# Altium PCB DIOT_PSU_doutherBoard.PcbDoc (part 2 of 2)
Units mm, origin at the board's own origin, x right, y up, seen from the top; angles counter-clockwise.
Board outline 217.37 x 100 mm, 4 copper layers (Top Layer, L2, L3, Bottom Layer), stack 1.57 mm thick; 139 components, 100 nets, 450 pads, 32 vias.
Unrouted connection lines stored in the file: 208.
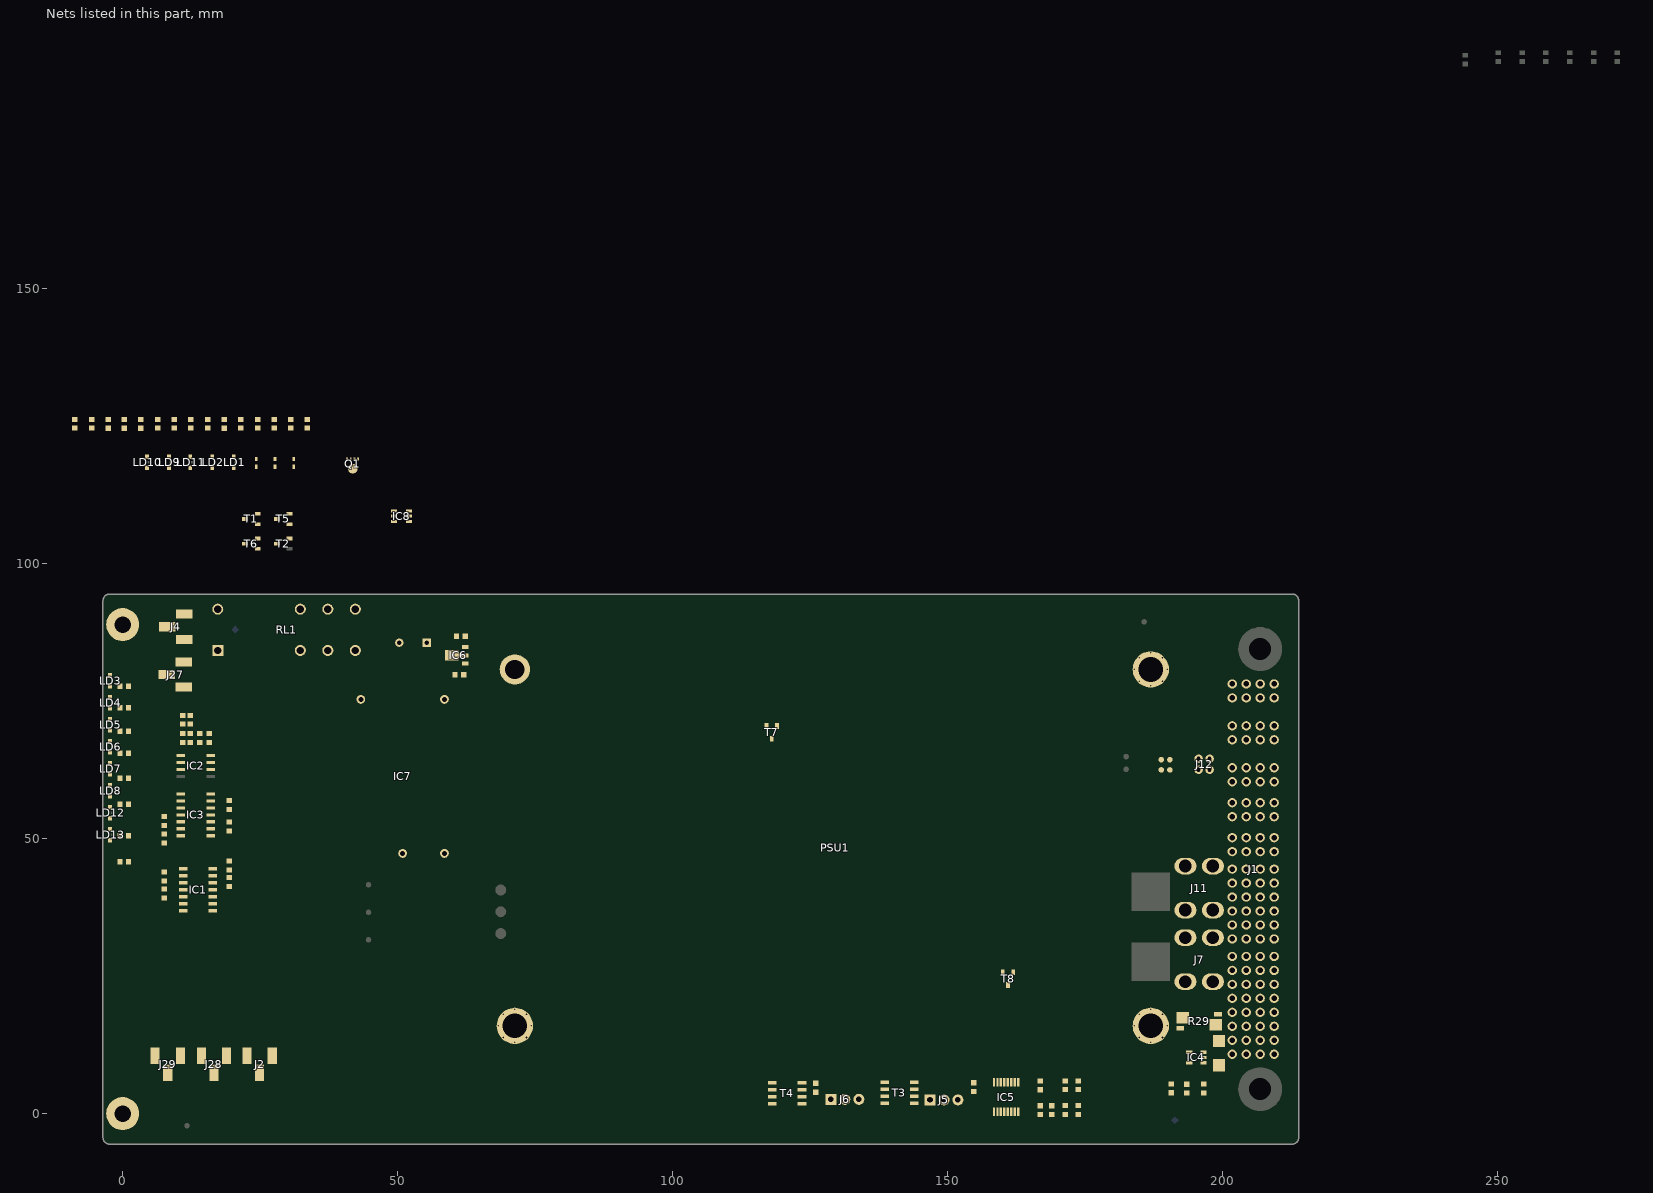
[diagram p4: the nets of this part, all layers, seen from the top]

## Part data
C1 C2 C3 C4 C6 C14: library part CC0603_100NF_50V_10%_X5R, "Non-polarised capacitor", Case=0603, Manufacturer=GENERIC, Manufacturer1 ComponentHeight=0.9mm, Manufacturer1 Example=TDK, Manufacturer1 Part Number=C1608X5R1H104K080, Tolerance=±10%, Voltage=50V, Author="CERN DEM MR", Component Type=Standard, CreateDate=08.01.2016, HelpURL=\\cern.ch\dfs\Applications\Altium\Datasheets\CC0603_X5R_TDK_C.pdf, LatestRevisionDate=08.01.2016, Manufacturer Part Number=CC0603_100NF_50V_10%_X5R, Mounted=Yes, Part Description="SMD Multilayer Chip Ceramic Capacitor", Part Number=CC0603_100NF_50V_10%_X5R, Pin Count=2, Sense=No, SMD=Yes, Socket=No, Status=None, TC=X5R
C5: library part CC0603_10NF_50V_10%_X7R, "Non-polarised capacitor", Case=0603, Manufacturer=GENERIC, Manufacturer1 ComponentHeight=0.87mm, Manufacturer1 Example=PHYCOMP, Manufacturer1 Part Number=223858615636, Tolerance=±10%, Voltage=50V, Author="CERN DEM JLC", Component Type=Standard, CreateDate=03.12.2007, HelpURL=\\cern.ch\dfs\Applications\Altium\Datasheets\CC0603_X7R_PHYCOMP.pdf, LatestRevisionDate=03.12.2007, Manufacturer Part Number=CC0603_10NF_50V_10%_X7R, Mounted=Yes, Part Description="SMD Multilayer Chip Ceramic Capacitor", Part Number=CC0603_10NF_50V_10%_X7R, Pin Count=2, Sense=No, SMD=Yes, Socket=No, Status=Preferred, TC=X7R
C7 C8 C11 C13: library part CC0603_1UF_16V_10%_X7R, "Non-polarised capacitor", Case=0603, Manufacturer=GENERIC, Manufacturer1 ComponentHeight=0.9mm, Manufacturer1 Example="YAGEO PHYCOMP", Manufacturer1 Part Number=223878615663, Tolerance=±10%, Voltage=16V, Author="CERN DEM JLC", Component Type=Standard, CreateDate=03.12.2007, HelpURL=\\cern.ch\dfs\Applications\Altium\Datasheets\CC0603_X7R_PHYCOMP.pdf, LatestRevisionDate=17.04.2015, Manufacturer Part Number=CC0603_1UF_16V_10%_X7R, Mounted=Yes, Part Description="SMD Multilayer Chip Ceramic Capacitor", Part Number=CC0603_1UF_16V_10%_X7R, Pin Count=2, Sense=No, SMD=Yes, Socket=No, Status=None, TC=X7R
C9 C10: library part CC0603_1NF_50V_10%_X7R, "Non-polarised capacitor", Case=0603, Manufacturer=GENERIC, Manufacturer1 ComponentHeight=0.87mm, Manufacturer1 Example=PHYCOMP, Manufacturer1 Part Number=223858615623, Tolerance=±10%, Voltage=50V, Author="CERN DEM JLC", Component Type=Standard, CreateDate=03.12.2007, HelpURL=\\cern.ch\dfs\Applications\Altium\Datasheets\CC0603_X7R_PHYCOMP.pdf, LatestRevisionDate=03.12.2007, Manufacturer Part Number=CC0603_1NF_50V_10%_X7R, Mounted=Yes, Part Description="SMD Multilayer Chip Ceramic Capacitor", Part Number=CC0603_1NF_50V_10%_X7R, Pin Count=2, Sense=No, SMD=Yes, Socket=No, Status=Preferred, TC=X7R
C12: library part CAER_150UF_16V_20%_SANYO_16SEQP150M, "Polarised capacitor", Case="LS5 D10 x H8", Manufacturer="SANYO OS-CON", Manufacturer Part Number=16SEQP150M, Tolerance=±20%, Voltage=16V, Author="CERN DEM JLC", Component Type=Standard, ComponentHeight=8mm, CreateDate=07.03.2011, HelpURL=\\cern.ch\dfs\Applications\Altium\Datasheets\CAER_SANYO_SEQP.pdf, LatestRevisionDate=07.03.2011, Mounted=Yes, Part Description="Aluminium Solid Capacitor with Conductive Polymer (SEQP Series)", Part Number=CAER_150UF_16V_20%_SANYO_16SEQP150M, Pin Count=2, Sense=No, SMD=No, Socket=No, Status="Not Recommended"
D1 D2 D3: "ESD protection diode", Case=SOD523, Manufacturer="NXP SEMICONDUCTORS", Power=330W, Voltage=3V3, Author="CERN DEM JLC", Bonding=No, Component Type=Standard, ComponentHeight=0.65mm, CreateDate=29.11.2012, Device=PESD3V3S1UB, HelpURL=\\cern.ch\dfs\Applications\Altium\Datasheets\PESD3V3S1UB.pdf, LatestRevisionDate=29.11.2012, Manufacturer Part Number=PESD3V3S1UB, Mounted=Yes, PackageDescription="Ultra Small Outline Diode Flat Lead (SOD-523), Body; 1.2mm L X 0.8mm W X 0.65mm H, IPC Medium Density", Part Description="ESD protection diode (23kV)", Part Number=PESD3V3S1UB, Pin Count=2, PressFit=No, Sense=No, SMD=Yes, Socket=No
D4: "Transient Voltage Suppressor Diode (Uni-Directional)", Case=SMB, Manufacturer=LITTELFUSE, Power=600W, Voltage=15V, Author="CERN DEM JLC", Bonding=No, Component Type=Standard, ComponentHeight=2.61mm, CreateDate=12.07.2017, Device=P6SMB15A, HelpURL=\\cern.ch\dfs\Applications\Altium\Datasheets\P6SMB15A.pdf, LatestRevisionDate=12.07.2017, Manufacturer Part Number=P6SMB15A, Mounted=Yes, PackageDescription="DO-214-AA/SMB Diode, Molded Body; 5.40mm L X 3.62mm W X 2.61mm H, IPC Medium Density", Part Description="Uni-directional Transient Voltage Suppressor (TVS) Diode", Part Number=P6SMB15A, Pin Count=2, PressFit=No, Sense=No, SMD=Yes, Socket=No
FTG1 FTG3: library part FIDUCIAL_TARGET_C100-200, "Fiducial Target", Author="CERN DEM JLC", Component Type="Standard (No BOM)", ComponentHeight=0mm, CreateDate=09.02.2010, Family=Fiducial, HelpURL=Undefined, LatestRevisionDate=04.04.2012, Mounted=No, PackageDescription="Round Fiducial Target, Top Layer, 1.0mm, Top Solder 2.0mm, Keepout =2.0mm", Part Description="Round Fiducial Target, Top Layer, 1.0mm, Top Solder 2.0mm, Keepout =2.0mm", Part Number=FIDUCIAL_TARGET_C100-200, Pin Count=1, Sense=No, SMD=Yes, Socket=No, Status=None
FTG2 FTG4: library part FIDUCIAL_TARGET_S100-200, "Fiducial Target", Author="CERN DEM JLC", Component Type="Standard (No BOM)", ComponentHeight=0mm, CreateDate=09.02.2010, Family=Fiducial, HelpURL=Undefined, LatestRevisionDate=04.04.2012, Mounted=No, PackageDescription="Square Fiducial Target, Top Layer, 1.0mm, Top Solder 2.0mm, Keepout =2.0mm", Part Description="Square Fiducial Target, Top Layer, 1.0mm, Top Solder 2.0mm, Keepout =2.0mm", Part Number=FIDUCIAL_TARGET_S100-200, Pin Count=1, Sense=No, SMD=Yes, Socket=No, Status=None
IC1 IC3: "Quad Operational Amplifier", Case=SOIC14, Manufacturer="TEXAS INSTRUMENTS", Author="CERN DEM JLC", Bonding=No, Component Type=Standard, ComponentHeight=1.75mm, CreateDate=09.03.2011, Device=LM339AD, HelpURL=\\cern.ch\dfs\Applications\Altium\Datasheets\LM339AD.pdf, LatestRevisionDate=09.03.2011, Manufacturer Part Number=LM339AD, Mounted=Yes, PackageDescription="SOIC 14, Pitch 1.27mm - Body 4x8.75mm, IPC Medium Density", Part Description="Quad Differential Comparator", Part Number=LM339AD, Pin Count=14, PressFit=No, Sense=No, SMD=Yes, Socket=No
IC2: "Precision Programmable Reference", Case=SOIC8, Manufacturer="TEXAS INSTRUMENTS", Author="CERN DEM JLC", Bonding=No, Component Type=Standard, ComponentHeight=1.75mm, CreateDate=18.01.2011, Device=TL431CD, HelpURL=\\cern.ch\dfs\Applications\Altium\Datasheets\TL431CD.pdf, LatestRevisionDate=28.02.2011, Manufacturer Part Number=TL431CD, Mounted=Yes, PackageDescription="SOIC 8, Pitch 1.27mm, Body 4x5mm, IPC Medium Density", Part Description="Vref (2.5V) To 36V 2% Precision Programmable Reference", Part Number=TL431CD, Pin Count=8, PressFit=No, Sense=No, SMD=Yes, Socket=No
IC4: "Current Shunt Monitor -16V to +80V Common-Mode Range", Case=SOT23-5, Manufacturer="TEXAS INSTRUMENTS", Manufacturer Part Number=INA194AIDBV, Author="CERN DEM JLC", Bonding=No, Component Type=Standard, ComponentHeight=1.45mm, CreateDate=10.05.2010, Device=INA194AIDBVT, HelpURL=\\cern.ch\dfs\Applications\Altium\Datasheets\INA194AIDBVT.pdf, LatestRevisionDate=10.05.2010, Mounted=Yes, PackageDescription="SOT, 0.95mm Pitch; 5 Pin, 1.60mm W X 2.90mm L X 1.45mm H body, IPC Medium Density", Part Description="Current Shunt Monitor -16V to +80V Common-Mode Range", Part Number=INA194AIDBVT, Pin Count=5, PressFit=No, Sense=No, SMD=Yes, Socket=No
IC5: "2-Channel Temperature Monitor with Dual, Automatic, PWM Fan-Speed Controller", Case=SSOP16, Manufacturer=MAXIM, Manufacturer Part Number=MAX6639AEE, Author="CERN DEM JLC", Bonding=No, Component Type=Standard, ComponentHeight=1.75mm, CreateDate=15.08.2012, Device=MAX6639AEE+, HelpURL=\\cern.ch\dfs\Applications\Altium\Datasheets\MAX6639AEE+.pdf, LatestRevisionDate=04.04.2022, Mounted=Yes, PackageDescription="SOP, 0.635mm Pitch; 16 Pin, 3.9mm W X 4.895mm L X 1.75mm H body, IPC Medium Density", Part Description="2-Channel Temperature Monitor with Dual, Automatic, PWM Fan-Speed Controller", Part Number=MAX6639AEE+, Pin Count=16, PressFit=No, Sense=No, SMD=Yes, Socket=No
IC6: "3-Terminal Regulator 1=OUT 2=GND 3=IN", Case=SOT89, Manufacturer="ST MICROELECTRONICS", Author="CERN DEM JLC", Bonding=No, Component Type=Standard, ComponentHeight=1.6mm, CreateDate=12.05.2014, Device=L78L33ACUTR, HelpURL=\\cern.ch\dfs\Applications\Altium\Datasheets\L78L33ACUTR.pdf, LatestRevisionDate=12.05.2014, Manufacturer Part Number=L78L33ACUTR, Mounted=Yes, PackageDescription="SOT89-3, 3-Leads, Body 2.44x4.5mm", Part Description="33V 100mA Positive Voltage Regulator", Part Number=L78L33ACUTR, Pin Count=4, PressFit=No, Sense=No, SMD=Yes, Socket=No
IC7: library part AC_DC_IRM-02-5, "Power Supply", Manufacturer="MEAN WELL", Author=GK, Bonding=No, Component Type=Standard, ComponentHeight=15mm, CreateDate=14.02.2018, Device=IRM-02-5, HelpURL=\\cern.ch\dfs\Applications\Altium\Datasheets\IRM-02-24.pdf, LatestRevisionDate=14.02.2018, Manufacturer Part Number=IRM-02-5, Mounted=Yes, PackageDescription="IRM-02 Series, Body 33.7x22.2mm, Power Supply", Part Description="85-305VAC to 5VDC (400mA) 2W Power Supply", Part Number=IRM-02-5, Pin Count=4, PressFit=No, Sense=No, SMD=No, Socket=No, Status=None
IC8: library part LTC4412HVIS6#PBF, "36V, Low Loss PowerPathTM Controller in ThinSOT", Case=SOT23-6, Manufacturer="LINEAR TECHNOLOGY", Author="CERN DEM JLC", Bonding=No, Component Type=Standard, ComponentHeight=1mm, CreateDate=22.03.2018, Device=LTC4412HVIS6, HelpURL=\\cern.ch\dfs\Applications\Altium\Datasheets\LTC4412HVIS6#PBF.pdf, LatestRevisionDate=02.02.2022, Manufacturer Part Number=LTC4412HVIS6, Mounted=Yes, PackageDescription="SOT, 0.95mm Pitch; 6 Pin, 1.625mm W X 2.90mm L X 1.00mm H body, IPC Medium Density", Part Description="36V, Low Loss PowerPath Controller in ThinSOT", Part Number=LTC4412HVIS6#PBF, Pin Count=6, PressFit=No, Sense=No, SMD=Yes, Socket=No
J1: library part AMPHENOL_51939-667, "Thru-Hole, Lead 3.43mm, PowerBlade Right Angled Power Connector 3ACP 2P 24S 4P Contacts", Manufacturer=AMPHENOL, Manufacturer Part Number=51939-667, Author="CERN DEM JLC", Component Type=Standard, ComponentHeight=12.57mm, CreateDate=05.03.2019, Family=PwrBlade, HelpURL=\\cern.ch\dfs\Applications\Altium\Datasheets\AMPHENOL_51939-667.pdf, LatestRevisionDate=05.03.2019, Mounted=Yes, Part Description="Right Angle PowerBlade Power Connector 3ACP + 2P + 24S + 4P Contacts", Part Number=AMPHENOL_51939-667, Pin Count=33, PressFit=No, Sense=No, SMD=No, Socket=No, Status=None
J2 J4 J27 J28 J29: library part KEYSTONE_4928, "0.240\" (6.10mm) Quick Connect Male Solder Connector Non-Insulated", Manufacturer=KEYSTONE, Author=LPA, Component Type=Standard, ComponentHeight=10.49mm, ComponentLink1Description=Datasheet, ComponentLink1URL=https://www.keyelco.com/product-pdf.cfm?p=14309, CreateDate=18.02.2025, HelpURL=https://www.keyelco.com/product-pdf.cfm?p=14309, LatestRevisionDate=18.02.2025, Manufacturer Part Number=4928, Mounted=Yes, Part Description="0.240\" (6.10mm) Quick Connect Male Solder Connector Non-Insulated", Part Number=4928, Pin Count=4, PressFit=No, Sense=No, SMD=No, Socket=No, Status=None
J3: "Power Entry Connector Receptacle, Male Blades - Module IEC 320-C14 Panel Mount, Flange", Manufacturer="Schaffner EMC Inc.", Author=LPA, ComponentHeight=35, ComponentLink1Description=Datasheet, ComponentLink1URL=https://www.digikey.pl/pl/products/detail/schaffner-emc-inc/FN281-6-06/1997105?srsltid=AfmBOopo_2hCIzMtiGmdja5qUgne8hiecT0bkO3ZLGT1zD_KD1Bja1J0, CreateDate=08.02.2025, HelpURL=https://www.schaffner.com/product/FN280/Schaffner_datasheet_FN280.pdf, LatestRevisionDate=08.02.2025, Manufacturer Part Number=FN281-6-06, Mounted=Yes, Part Description="Power Entry Connector Receptacle, Male Blades - Module IEC 320-C14 Panel Mount, Flange", Part Number=FN281-6-06, Pin Count=3, PressFit=No, Sense=No, SMD=No, Socket=No, Status=None
J5 J6: "Gniazdo; FAN; przewód-płytka; męskie; PIN:3; 2,54mm; THT; KK 254; proste", Manufacture=Molex, Value1=3, Assembly=THT, ComponentLink1Description=Datasheet, ComponentLink1URL=https://www.tme.eu/pl/Document/dac536c778e10636339fa400de171f1f/MX-22-23-2031.pdf, ComponentSymbol=MX-22-23-2031, ComponentType=Connector, DafaultFootprint="Molex 3-pin", Parameter1="No. of Position", Shop1=TME, Shop1ID=MX-22-23-2031
J7 J11: "4 Pin Screw Terminal, Power Tap M3 Through Hole", Manufacturer="Amphenol Anytek", Author=LPA, Component Type=Standard, ComponentHeight=12mm, CreateDate=09.02.2025, Family=LOP-400, HelpURL=https://www.anytek.com.cn/Upload/AMT43015DB-ed7a3ffa30954f7d99d4bb13dc927db5.pdf, LatestRevisionDate=09.02.2025, Manufacturer Part Number=AMT0430015DB0000G, Mounted=Yes, Part Description="4 Pin Screw Terminal, Power Tap M3 Through Hole", Part Number=AMT0430015DB0000G, Pin Count=4, PressFit=No, Sense=No, SMD=No, Socket=No, Status=None
J8: "3 Rectangular Connectors - Housings Receptacle Natural 0.156\" (3.96mm)", Manufacturer="JST Sales America Inc.", Author=LPA, Component Type=Standard, CreateDate=09.02.2025, Family=VH, HelpURL=https://www.jst-mfg.com/product/pdf/eng/eVH.pdf, LatestRevisionDate=09.02.2025, Manufacturer Part Number=VHR-3N, Mounted=Yes, Part Description="3 Rectangular Connectors - Housings Receptacle Natural 0.156\" (3.96mm)", Part Number=VHR-3N, Pin Count=1, PressFit=No, Sense=No, SMD=No, Socket=No, Status=None
J9 J10: "Socket Contact Tin 16-20 AWG Crimp", Manufacturer="JST Sales America Inc.", Author=LPA, Component Type="Socket Contact", ComponentHeight=N/A, CreateDate=09.02.2025, Family=vh, HelpURL=https://www.jst-mfg.com/product/pdf/eng/eVH.pdf, LatestRevisionDate=09.02.2025, Manufacturer Part Number=SVH-41T-P1.1, Mounted=Yes, Part Description="Socket Contact Tin 16-20 AWG Crimp", Part Number=SVH-41T-P1.1, Pin Count=1, PressFit=No, Sense=No, SMD=No, Socket=No, Status=None
J12: Manufacturer="Hirose Electric Co Ltd", Author=LPA, Component Type=Standard, ComponentHeight=6.6mm, CreateDate=09.02.2025, Family=DF11, HelpURL=https://www.hirose.com/de/product/document?clcode=&productname=&series=DF11&documenttype=Catalog&lang=en&documentid=en_DF11_CAT, LatestRevisionDate=09.02.2025, Manufacturer Part Number=DF11-4DP-2DSA(01), Mounted=Yes, Part Description="Connector Header Through Hole 4 position 0.079\" (2.00mm)", Part Number=DF11-4DP-2DSA(01), Pin Count=1, PressFit=No, Sense=No, SMD=No, Socket=No, Status=None
J13 J16: "4 Rectangular Connectors - Housings Receptacle Black 0.079\" (2.00mm)", Manufacturer="Hirose Electric Co Ltd", Author=LPA, Component Type=Standard, ComponentHeight=7.3mm, CreateDate=09.02.2025, Family=DF11, HelpURL=https://www.hirose.com/de/product/document?clcode=&productname=&series=DF11&documenttype=Catalog&lang=en&documentid=en_DF11_CAT, LatestRevisionDate=09.02.2025, Manufacturer Part Number=DF11-4DS-2C, Mounted=Yes, Part Description="4 Rectangular Connectors - Housings Receptacle Black 0.079\" (2.00mm)", Part Number=DF11-4DS-2C, Pin Count=1, PressFit=No, Sense=No, SMD=No, Socket=No, Status=None
J14 J15 J17 J18 J19 J20 J21 J22: "Socket Contact Tin 24-28 AWG Crimp", Manufacturer="Hirose Electric Co Ltd", Author=LPA, Component Type="Socket Contact", ComponentHeight=N/A, CreateDate=09.02.2025, Family=DF11, HelpURL=https://www.hirose.com/product/download/?distributor=digikey&type=specSheet&lang=en&num=DF11-2428SC, LatestRevisionDate=09.02.2025, Manufacturer Part Number=DF11-2428SC, Mounted=Yes, Part Description="Socket Contact Tin 24-28 AWG Crimp", Part Number=DF11-2428SC, Pin Count=1, PressFit=No, Sense=No, SMD=No, Socket=No, Status=None
J23 J24 J25 J26: "Round Standoff Threaded M3 Steel 0.039\" (1.00mm)", Manufacturer="Würth Elektronik", Author=LPA, Component Type=Standard, ComponentHeight=6.6mm, CreateDate=09.02.2025, Family=WA-SMSR, HelpURL=https://www.we-online.com/en/components/products/SMSR_SMD_STEEL_SPACER_M3_THREAD_INTERNAL#9775066360R, LatestRevisionDate=09.02.2025, Manufacturer Part Number=9775066360R, Mounted=Yes, Part Description="Round Standoff Threaded M3 Steel 0.039\" (1.00mm)", Part Number=9775066360R, Pin Count=1, PressFit=No, Sense=No, SMD=No, Socket=No, Status=None
LD1 LD2 LD3 LD4 LD5 LD6 LD7 LD8 LD9 LD10 LD11 LD12 LD13: library part LED_AVAGO_HSME-C120, "LED Green 1C 2A", Manufacturer="AVAGO TECHNOLOGIES", Manufacturer Part Number=HSME-C120, Author="CERN DEM JMW", Bonding=No, Color=Green, Component Type=Standard, ComponentHeight=0.7mm, ComponentLink1Description="Design Guide", ComponentLink1URL=\\cern.ch\dfs\Applications\Altium\Datasheets\LED_AVAGO_HSME-C110_DESIGN-GUIDE.pdf, CreateDate=22.07.2009, HelpURL=\\cern.ch\dfs\Applications\Altium\Datasheets\LED_AVAGO_HSME-C120.pdf, LatestRevisionDate=20.06.2012, Mounted=Yes, PackageDescription="Green Chip LED, 2-Leads, Body 1.7x1.1mm, Side Emitting Package", Part Description="High Performance Right Angle Chip Green LED", Part Number=LED_AVAGO_HSME-C120, Pin Count=2, PressFit=No, Sense=No, SMD=Yes, Socket=No
M1 M2: library part PLATED_HOLE3.0_PAD6.0, "Single Terminal Socket", Author="CERN DEM JLC", Component Type="Standard (No BOM)", ComponentHeight=0mm, CreateDate=26.05.2008, Family="Plated Hole", HelpURL=Undefined, LatestRevisionDate=26.05.2008, Mounted=No, PackageDescription="Plated Through Hole: Hole Dia.=3.0mm Pad Dia.=6.0mm", Part Description="Plated Through Hole: Hole Dia.=3.0mm Pad Dia.=6.0mm", Part Number=PLATED_HOLE3.0_PAD6.0, Pin Count=1, Sense=No, SMD=No, Socket=No, Status=None
NUT1 NUT2: library part BOSSARD_BN628-1241443_v, "Nut", Manufacturer=BOSSARD, Manufacturer Part Number="BN628 Art.1241443", Author="CERN DEM JMW", Component Type=Mechanical, ComponentHeight=2.4mm, CreateDate=04.12.2015, HelpURL=\\cern.ch\dfs\Applications\Altium\Datasheets\BOSSARD_BN628-1241443.pdf, LatestRevisionDate=04.12.2015, Mounted=Yes, PackageDescription="M3 Hexagon Nut ~0,8d, ISO 4032, DIN 934, Stainless Steel A2", Part Description="M3 Hexagon Nut ~0,8d, ISO 4032, DIN 934, Stainless Steel A2", Part Number=BOSSARD_BN628-1241443_v, Pin Count=0, PressFit=No, Sense=No, SMD=No, Socket=No, Status=None
P1 P2 P3 P4 P5 P6 P7: "0.250\" (6.35mm) Quick Connect Female 14-16 AWG Crimp Connector Fully Insulated Heat Shrink", Manufacturer=Molex, Author=LPA, Component Type="Socket Contact", ComponentHeight=N/A, ComponentLink1Description=Datasheet, ComponentLink1URL=https://www.molex.com/en-us/products/part-detail/191640050?display=pdf, CreateDate=18.02.2025, Family=Perma-Seal, HelpURL=https://www.molex.com/en-us/products/part-detail/191640050?display=pdf, LatestRevisionDate=18.02.2025, Manufacturer Part Number=0191640050, Mounted=Yes, Part Description="0.250\" (6.35mm) Quick Connect Female 14-16 AWG Crimp Connector Fully Insulated Heat Shrink", Part Number=0191640050, Pin Count=1, PressFit=No, Sense=No, SMD=No, Socket=No, Status=None
PSU1: library part LOP-400-12, "AC-DC low profile open frame power supply; 150% peak for 3s; 250W convection and 400W fan cooling; input 80~264Vac; output 12Vdc; wide operating temperature range -40°~+80°C; aux 12V/0.5A for external fan; industrial EN/UL62368-1, household EN/UL60335-1 and medical EN/UL60601-1 multi-field certification; suitable for class I and class II applications", Manufacturer=MEANWELL, Author=LPA, Component Type=Standard, ComponentHeight=27.5±1mm, CreateDate=08.02.2025, Family=LOP-400, HelpURL=https://www.meanwell.com/webapp/product/search.aspx?prod=LOP-400, LatestRevisionDate=08.02.2025, Manufacturer Part Number=LOP-400-12, Mounted=Yes, Part Description="Right Angle PowerBlade Power Connector 3ACP + 2P + 24S + 4P Contacts", Part Number=LOP-400-12, Pin Count=11, PressFit=No, Sense=No, SMD=No, Socket=No, Status=None
Q1: library part CMP-83955-000002-1, "MOSFET P-CH 30V 3X3 DFN", Continuous Drain Current=-24A, Drain To Source Breakdown Voltage=-30V, Drain To Source Resistance=9.2mΩ, Gate To Source Voltage=25V, Input Capacitace At Vds="1995pF @ -15V", Manufacturer="Alpha & Omega Semiconductor", Max Forward Diode Voltage=-1V, Max Junction Temp=+150°C, Package=DFN3x3A_8L_EP1_P, Power Dissipation=5W, Pulse Drain Current=-82A, Temperature="-55°C to +150°C", Temperature Range Low=-55°C, Typ Forward Diode Voltage=-0.7V, Automotive=No, Category=Trans, ComponentLink2Description=Datasheet, ComponentLink2URL=http://www.aosmd.com/res/data_sheets/AONR21307.pdf, Depletion Mode=False, Device Class L1="Discrete Semiconductors", Device Class L2=Transistors, Device Class L3=MOSFETs, Digikey Description="MOSFET P-CH 30V 3X3 DFN", Drain To Source Voltage=-30V, Footprint Url=http://www.aosmd.com/res/packaging_information/DFN3x3A_8L_EP1_P.pdf, Gate Charge At Vgs="35nC @ -10V", Height=0.9mm, Lead Free=Yes, Manufacturer Part Number=AONR21307, Number Of Channels=1, Number Of P Channels=1, Octopart=https://octopart.com/aonr21307-alpha+%26+omega+semiconductor-96014004, Reverse Recovery Charge=20nC, Reverse Recovery Time=13.3ns, RoHS=TRUE, Rthja Max=45°C/W, Standoff Height=0mm, Temperature Range High=+150°C, Threshold Vgs Max=-2.3V, Threshold Vgs Min=-1.3V, Turn Off Delay Time=43.5ns, Turn On Delay Time=11ns
R1 R2: library part R0603_0R_JUMPER, "Resistor", Case=0603, Manufacturer=GENERIC, Manufacturer1 ComponentHeight=0.55mm, Manufacturer1 Example="NIC COMPONENT", Manufacturer1 Part Number=NRC06Z0, Author="CERN DEM JLC", Component Type=Standard, CreateDate=03.12.2007, HelpURL=\\cern.ch\dfs\Applications\Altium\Datasheets\R0603_NIC_NRC.pdf, LatestRevisionDate=13.03.2008, Manufacturer Part Number=R0603_0R_JUMPER, Mounted=Yes, Part Description="1A (0.05R Max DC Resistance) Zero Ohm Jumper", Part Number=R0603_0R_JUMPER, Pin Count=2, PressFit=No, Sense=No, SMD=Yes, Socket=No, Status=Preferred
R3 R6 R7 R8 R9 R15 R17 R19 R21 R23 R25 R27 R35 R36 R38: library part R0603_1K_1%_0.1W_100PPM, "Resistor - 1%", Case=0603, Manufacturer=GENERIC, Manufacturer1 ComponentHeight=0.55mm, Manufacturer1 Example="NIC COMPONENT", Manufacturer1 Part Number=NRC06F1001TRF, Power=0.1W, Tolerance=±1%, Author="CERN DEM JLC", Component Type=Standard, CreateDate=03.12.2007, HelpURL=\\cern.ch\dfs\Applications\Altium\Datasheets\R0603_NIC_NRC.pdf, LatestRevisionDate=13.03.2008, Manufacturer Part Number=R0603_1K_1%_0.1W_100PPM, Mounted=Yes, Part Description="General Purpose Thick Film Chip Resistor", Part Number=R0603_1K_1%_0.1W_100PPM, Pin Count=2, PressFit=No, Sense=No, SMD=Yes, Socket=No, Status=Preferred, TC=±100ppm/°C
R4 R5 R10 R11 R12 R13 R14 R16 R18 R20 R22 R24 R26 R28 R30 R31 R32 R33 R34 R37 R39: library part R0603_10K_1%_0.1W_100PPM, "Resistor - 1%", Case=0603, Manufacturer=GENERIC, Manufacturer1 ComponentHeight=0.55mm, Manufacturer1 Example="NIC COMPONENT", Manufacturer1 Part Number=NRC06F1002TRF, Power=0.1W, Tolerance=±1%, Author="CERN DEM JLC", Component Type=Standard, CreateDate=03.12.2007, HelpURL=\\cern.ch\dfs\Applications\Altium\Datasheets\R0603_NIC_NRC.pdf, LatestRevisionDate=13.03.2008, Manufacturer Part Number=R0603_10K_1%_0.1W_100PPM, Mounted=Yes, Part Description="General Purpose Thick Film Chip Resistor", Part Number=R0603_10K_1%_0.1W_100PPM, Pin Count=2, PressFit=No, Sense=No, SMD=Yes, Socket=No, Status=Preferred, TC=±100ppm/°C
R29: library part R2512_0R002_1%_1W_35PPM_VISHAY_WSK, "Power and Current Sensing Resistor", Case=2512, Manufacturer="VISHAY DALE", Manufacturer Part Number=WSK25122L000FEA, Power=1W, Tolerance=±1%, Author="CERN DEM MR", Component Type=Standard, ComponentHeight=0.89mm, CreateDate=08.11.2016, HelpURL=\\cern.ch\dfs\Applications\Altium\Datasheets\R2512_VISHAY_WSK.pdf, LatestRevisionDate=19.02.2018, Mounted=Yes, Part Description="Power Metal Strip® Resistor, Low Value", Part Number=R2512_0R002_1%_1W_35PPM_VISHAY_WSK, Pin Count=4, PressFit=No, Sense=No, SMD=Yes, Socket=No, Status=None, TC=±35ppm/°C
RL1: library part REL_OMRON_G2RL-24-DC5, "DPDT Power Relay, G2RL Series", Manufacturer="OMRON ELECTRONIC", Manufacturer Part Number=G2RL-24-DC5, Author="CERN DEM BC", Component Type=Standard, ComponentHeight=15.7mm, CreateDate=11.09.2023, HelpURL=\\cern.ch\dfs\Applications\Altium\Datasheets\REL_OMRON_G2RL-24.pdf, LatestRevisionDate=11.09.2023, Mounted=Yes, PackageDescription="8 Leads, Row Spacing 7.5mm; Body 29mm x 12.7mm, OMRON_G2RL Series", Part Description="8A@250VAC, DPDT Power Relay, G2RL Series", Part Number=REL_OMRON_G2RL-24-DC5, Pin Count=8, PressFit=No, Sense=No, Sense Comment="Sensitive=No (Component Sealed)", SMD=No, Socket=No, Status=None
SCREW1 SCREW2: library part BOSSARD_BN5687-3061608_v, "Screw", Manufacturer=BOSSARD, Manufacturer Part Number="BN5687 Art.3061608", Author="CERN DEM JLC", Component Type=Mechanical, ComponentHeight=12.4mm, CreateDate=22.08.2013, HelpURL=\\cern.ch\dfs\Applications\Altium\Datasheets\BOSSARD_BN5687-3061608.pdf, LatestRevisionDate=22.08.2013, Mounted=Yes, PackageDescription="M3 L=10mm Hexalobular Socket Pan Head Screw, Fully Threaded - Stainless Steel A2", Part Description="M3 L=10mm Hexalobular Socket Pan Head Screw, Fully Threaded, Stainless Steel A2", Part Number=BOSSARD_BN5687-3061608_v, Pin Count=0, PressFit=No, Sense=No, SMD=No, Socket=No, Status=None
ST1: library part SCHROFF_PANEL_3U_8HP_CPCIS_PSU, "Schroff 8HP 4U EUROCARD Panel with ejector", Manufacturer=Schroff, Manufacturer Part Number=20848589, Manufacturer Part Number 2=20848589
T1 T2: "N-CHANNEL MOSFET WITH DIODE", Case=SOT23-3, Manufacturer="ON SEMICONDUCTOR", Manufacturer Part Number=BSS138L, Author="CERN DEM JLC", Bonding=No, Component Type=Standard, ComponentHeight=1.11mm, CreateDate=23.03.2009, Device=BSS138LT1G, HelpURL=\\cern.ch\dfs\Applications\Altium\Datasheets\BSS138LT1G.pdf, LatestRevisionDate=25.05.2022, Mounted=Yes, PackageDescription="SOT23, 0.95mm Pitch; 3 Pin, 1.40mm W X 3.00mm L X 1.10mm H body, IPC Medium Density", Part Description="50V, 200mA N-Channel Enhancement Mode Field-Effect Transistor", Part Number=BSS138LT1G, Pin Count=3, PressFit=No, Sense=No, SMD=Yes, Socket=No
T3 T4: library part IRF7424PBF, "30V 11A P-Channel HEXFET® Power MOSFET", Case=SOIC8, Manufacturer="INTERNATIONAL RECTIFIER", Author="CERN DEM JLC", Bonding=No, Component Type=Standard, ComponentHeight=1.75mm, CreateDate=11.01.2011, Device=IRF7424, HelpURL=\\cern.ch\dfs\Applications\Altium\Datasheets\IRF7424PBF.pdf, LatestRevisionDate=02.06.2022, Manufacturer Part Number=IRF7424, Mounted=Yes, PackageDescription="SOIC 8, Pitch 1.27mm - Body 4x5mm, IPC Medium Density", Part Description="-30V -11A P-Channel HEXFET® Power MOSFET", Part Number=IRF7424PBF, Pin Count=8, PressFit=No, Sense=No, SMD=Yes, Socket=No
T5 T6: "N-CHANNEL MOSFET WITH DIODE", Case=SOT23-3, Manufacturer="ON SEMICONDUCTOR", Author="CERN DEM JLC", Bonding=No, Component Type=Standard, ComponentHeight=1.11mm, CreateDate=23.03.2009, Device=BSS138LT1G, HelpURL=\\cern.ch\dfs\Applications\Altium\Datasheets\BSS138LT1G.pdf, LatestRevisionDate=23.03.2009, Manufacturer Part Number=BSS138LT1G, Mounted=Yes, PackageDescription="SOT23 3-Leads, Pitch 0.95mm - Body 1.4x3mm, IPC Medium Density", Part Description="50V 200mA N-Channel Enhancement Mode Field-Effect Transistor", Part Number=BSS138LT1G, Pin Count=3, PressFit=No, Sense=No, SMD=Yes, Socket=No
T7 T8: "PNP Transistor", Case=SOT23-3, Manufacturer="ON SEMICONDUCTOR", Manufacturer Part Number=MMBT3906L, Author="CERN DEM JLC", Bonding=No, Component Type=Standard, ComponentHeight=1.1mm, CreateDate=29.03.2012, Device=MMBT3906LT1G, HelpURL=\\cern.ch\dfs\Applications\Altium\Datasheets\MMBT3906LT1G.pdf, LatestRevisionDate=25.05.2022, Mounted=Yes, PackageDescription="SOT23, 0.95mm Pitch; 3 Pin, 1.40mm W X 3.00mm L X 1.10mm H body, IPC Medium Density", Part Description="40V 200mA PNP General Purpose Transistor", Part Number=MMBT3906LT1G, Pin Count=3, PressFit=No, Sense=No, SMD=Yes, Socket=No
WASHER1 WASHER2: library part BOSSARD_BN83728-8243964_v, "Washer", Manufacturer=BOSSARD, Manufacturer Part Number="BN83728 Art.8243964", Author="CERN DEM JLC", Component Type=Mechanical, ComponentHeight=0.4mm, CreateDate=27.04.2017, HelpURL=\\cern.ch\dfs\Applications\Altium\Datasheets\BOSSARD_BN83728-8243964.pdf, LatestRevisionDate=27.04.2017, Mounted=Yes, PackageDescription="Waved Spring Washer for M3 Screw, Steel 440-520 HV, Zinc Plated Blue", Part Description="Waved Spring Washer for M3 Screw - Steel 440-520 HV - Zinc Plated Blue", Part Number=BOSSARD_BN83728-8243964_v, Pin Count=0, PressFit=No, Sense=No, SMD=No, Socket=No, Status=None
OHL1: Author="CERN DEM HF", Component Type="Standard (No BOM)", ComponentHeight=0mm, CreateDate=03.12.2021, HelpURL=Undefined, LatestRevisionDate=03.12.2021, Mounted=No, OHL_License="OHL-W v2.0+", OHL_Version="OHL v2.0", PackageDescription="Texte Copyright Cern", Part Description="Copyright CERN", Part Number=CERN_OHL, Pin Count=0, Sense=No, SMD=No, Socket=No, Status=None

## Via types
v1: diameter 0.6, hole 0.3, Top Layer to Bottom Layer, 32 vias

## Nets (pads, with @x,y where several pads share a name; then routed paths per layer and width w, separated by ;. In a path a pad name is that pad's centre, name@x,y a point inside that pad or via, vN(x,y) a via of type N, cw(c..) or ccw(c..) an arc to the next point about the centre after c; other vN are vias at no path point)
0.825V: IC3.5 R22.1 R39.2
0.4125V: IC3.9 R24.2 R26.1
1.65V: IC1.5 R13.2 R14.1
1.2375V: IC1.9 R16.2 R37.1
DXN: C9.2 C10.2 IC5.11 T7.1 T7.3 T8.1 T8.3
DXP1: C9.1 IC5.9 T7.2
DXP2: C10.1 IC5.12 T8.2
F_IO0: J1.B2
F_IO1: J1.B3
F_RST: J1.A2
FANn: IC5.5
FG1: J26.1 PSU1.FG1
FG2: J25.1 PSU1.FG2
  other v1: 186.905,77.75 184.784,78.629 189.026,78.629 183.905,80.75 189.905,80.75 184.784,82.871 189.026,82.871 186.905,83.75
FG3: J24.1 PSU1.FG3
  other v1: 186.905,12.95 184.784,13.829 189.026,13.829 183.905,15.95 189.905,15.95 184.784,18.071 189.026,18.071 186.905,18.95
GND: C1.1 C2.1 C3.2 C4.2 C5.1 C6.2 C7.1 C8.1 C11.1 C12.2 C13.1 C14.2 D1.2 D4.2 IC1.12 IC2.2 IC2.3 IC2.6 IC2.7 IC3.12 IC4.2 IC5.10 IC5.13 IC6.2 IC7.3 IC8.2 IC8.3 J1.A1 J1.A3 J1.A5 J1.B6 J1.C1 J1.C3 J1.C5 J1.P6 J1.P7 J5.1 J6.1 J11.1 J12.3 PSU1.CN3.3 R1.2 R2.2 R3.1 R4.1 R28.2 T1.2 T2.2 T5.2 T6.2
i_adc: C5.2 IC1.4 IC1.6 IC1.8 IC1.10 IC3.4 IC3.6 IC3.8 IC3.10 R30.2
L_sw: J28.1 RL1.3 RL1.4
LED_1/8: LD13.1 R27.2
LED_2/8: LD12.1 R25.2
LED_3/8: LD8.1 R23.2
LED_4/8: LD7.1 R21.2
LED_5/8: LD6.1 R38.2
LED_6/8: LD5.1 R36.2
LED_7/8: LD4.1 R15.2
LED_8/8: LD3.1 R7.2
M_SCL: IC5.16 J1.C2
M_SDA: IC5.15 J1.B1
MAINS_L: IC7.2
MAINS_N: IC7.1
MH1: J23.1 PSU1.MH1
  other v1: 71.305,12.95 69.184,13.829 73.426,13.829 68.305,15.95 74.305,15.95 69.184,18.071 73.426,18.071 71.305,18.95
N_sw: J29.1 RL1.5 RL1.6
NetC1_2: C1.2 R1.1 ST1.MH1
NetC2_2: C2.2 R2.1 ST1.MH2
NetD2_1: D2.1 D3.2
NetD2_2: D2.2 RL1.1 T2.3
NetIC1_1: IC1.1 R15.1
NetIC1_2: IC1.2 R7.1
NetIC1_7: IC1.7 R14.2 R16.1
NetIC1_11: IC1.11 R37.2 R39.1
NetIC1_13: IC1.13 R38.1
NetIC1_14: IC1.14 R36.1
NetIC3_1: IC3.1 R23.1
NetIC3_2: IC3.2 R21.1
NetIC3_7: IC3.7 R22.2 R24.1
NetIC3_11: IC3.11 R26.2 R28.1
NetIC3_13: IC3.13 R27.1
NetIC3_14: IC3.14 R25.1
NetIC4_1: IC4.1 R30.1
NetIC4_3: IC4.3 R29.E2
NetIC4_4: IC4.4 R29.E1
NetIC8_5: IC8.5 Q1.4
NetIC8_6: IC8.6 Q1.1 Q1.2 Q1.3 R29.I2
NetJ4_1: J4.1 RL1.2
NetJ27_1: J27.1 RL1.7
NetLD1_1: LD1.1 R3.2
NetLD2_1: LD2.1 R4.2
NetLD9_1: LD9.1 R17.2
NetLD10_1: LD10.1 R19.2
NetLD11_1: LD11.1 R35.2
NetR10_2: R10.2 R11.1
NetR11_2: R11.2 R12.1
NetR12_2: R12.2 R13.1
NetR17_1: R17.1 T5.3
NetR19_1: R19.1 T6.3
OTn: IC5.7
OVERn: IC5.14
P2V5REF: IC2.1 IC2.8 R8.1 R9.1 R10.1
P3V3: C11.2 C14.1 IC5.8 IC6.1 R31.2 R32.2
P5V: J1.P5
P5V0SB: C3.1 C4.1 C6.1 C12.1 C13.2 D3.1 IC1.3 IC3.3 IC4.5 IC6.3 IC7.4 LD1.2 LD3.2 LD4.2 LD5.2 LD6.2 LD7.2 LD8.2 LD9.2 LD10.2 LD11.2 LD12.2 LD13.2 R5.2 R6.2 R8.2 R9.2 R18.2 R20.2 RL1.8
P12V0: C7.2 C8.2 D4.1 J1.P8 J1.P9 R29.I1 R33.2 R34.2 T3.1 T3.2 T3.3 T4.1 T4.2 T4.3
P12V0_OUT: LD2.2
P12V0_RSENS: IC8.1 J7.1 Q1.5-6-7-8
P12V_1: J5.2 T3.5 T3.6 T3.7 T3.8
P12V_2: J6.2 T4.5 T4.6 T4.7 T4.8
P12V_Sense: J1.D2 J12.2 PSU1.CN3.2
P_IO0: J1.C4
P_IO1: J1.C6
P_IO2: J1.B4
P_PRES0: J1.D5
P_PRES1: J1.D6
P_RST: J1.B5
PE: J2.1 M1.1 M2.1
PRST_N: J1.A6
PS-ON: R6.1 T1.3
PS_ON_N: D1.1 J1.D3 J12.4 PSU1.CN3.4 R5.1 R35.1 T1.1
PWM1: IC5.1 R33.1 T3.4
PWM2: IC5.3 R34.1 T4.4
PWRBTN_N: J1.A4
PWRFAIL_N: J1.D4
RTN_Sense: J1.D1 J12.1 PSU1.CN3.1
STAT_A: IC8.4 R18.1 T5.1
STAT_B: R20.1 T6.1
TACH1: IC5.2 J5.3 R31.1
TACH2: IC5.4 J6.3 R32.1
THERMn: IC5.6
Vext1: J1.P1
Vext2: J1.P2
Vext3: J1.P3
Vext4: J1.P4
pads on no net: FTG1.FTG2 FTG2.1 FTG3.FTG2 FTG4.1 IC2.4 IC2.5 J1.MTG1 J1.MTG2 J3.1 J3.2 J3.3 J14.1 J14.2 J15.1 J15.2 J17.1 J17.2 J19.1 J19.2 J20.1 J20.2 J21.1 J21.2 J22.1 J22.2 LD1.3 LD2.3 LD3.3 LD4.3 LD5.3 LD6.3 LD7.3 LD8.3 LD9.3 LD10.3 LD11.3 LD12.3 LD13.3 PSU1.CN1.1 PSU1.CN1.2 PSU1.CN1.3 PSU1.CN2.1 PSU1.CN2.2 PSU1.V+ PSU1.V- T2.1
copper on no net:
  other v1: 186.905,77.75 184.784,78.629 189.026,78.629 183.905,80.75 189.905,80.75 184.784,82.871 189.026,82.871 186.905,83.75

## Polygon pours and split planes (outlines as drawn)
Vext1 on L3 "NONET_L03_P010" (solid, shelved, pour order 10): 144.13,59.45 144.13,69.45 154.43,79.75 211.27,79.75 211.27,73.163 211.284,73.149 163.629,73.149 160.33,69.85 156.43,69.85 151.73,65.15 151.73,61.25 149.93,59.45
Vext2 on L3 "NONET_L03_P009" (solid, shelved, pour order 9): 144.13,56.45 144.13,59.45 149.93,59.45 151.73,61.25 151.73,65.15 156.43,69.85 160.33,69.85 163.629,73.149 211.284,73.149 211.284,65.635 211.27,65.621 167.662,65.621 163.891,61.85 157.83,61.85 152.43,56.45
Vext3 on L3 "NONET_L03_P008" (solid, shelved, pour order 8): 144.13,53.6 144.13,56.45 152.43,56.45 157.83,61.85 163.891,61.85 167.662,65.621 211.301,65.621 211.316,65.606 211.316,58.734 191.214,58.734 189.53,57.05 160.801,57.05 157.201,53.45 156.998,53.45
Vext4 on L3 "NONET_L03_P007" (solid, shelved, pour order 7): 144.13,47.25 169.53,47.25 174.33,52.05 211.284,52.05 211.284,58.451 211.13,58.605 190.967,58.605 189.411,57.05 160.801,57.05 157.001,53.25 144.13,53.25
P5V on L2 "NONET_L02_P006" (solid, shelved, pour order 6): 211.279,52.05 211.279,46.05 201.43,46.05 195.33,39.95 147.248,39.95 145.23,37.932 145.23,17.39 148.17,14.45 148.17,2.47 143.65,2.47 143.63,2.45 138.43,7.65 138.43,41.25 144.43,47.25 169.643,47.25 174.443,52.05
Vext1 on L2 "NONET_L02_P005" (solid, shelved, pour order 5): 144.13,59.45 144.13,69.45 154.43,79.75 211.27,79.75 211.27,73.163 211.27,73.149 163.629,73.149 160.33,69.85 156.43,69.85 151.73,65.15 151.73,61.45 149.73,59.45
Vext2 on L2 "NONET_L02_P004" (solid, shelved, pour order 4): 144.13,56.45 144.13,59.45 149.93,59.45 151.73,61.25 151.73,65.15 156.43,69.85 160.33,69.85 163.629,73.149 211.27,73.149 211.27,65.621 167.662,65.621 163.891,61.85 157.83,61.85 152.43,56.45
Vext3 on L2 "NONET_L02_P003" (solid, shelved, pour order 3): 144.13,53.6 144.13,56.45 152.43,56.45 157.83,61.85 163.891,61.85 167.662,65.621 211.272,65.621 211.272,58.734 191.214,58.734 189.53,57.05 160.801,57.05 157.201,53.45 156.998,53.45
Vext4 on L2 "NONET_L02_P002" (solid, shelved, pour order 2): 144.13,47.25 169.53,47.25 174.33,52.05 211.275,52.05 211.275,58.605 190.967,58.605 189.411,57.05 160.801,57.05 157.001,53.25 144.13,53.25
PE on L2 "Top Layer-PE 1" (solid, shelved, pour order 19): 15.08,40.982 5.38,40.982 5.378,40.892 cw(c5.236,40.881) 5.378,40.881 5.378,40.014 5.788,40.014 cw(c5.788,37.624) 7.478,39.314 7.983,38.809 ccw(c9.178,40.004) 9.178,38.314 11.278,38.314 ccw(c11.278,40.004) 12.473,38.809 12.978,39.314 cw(c14.668,37.624) 14.668,40.014 15.078,40.014 15.078,40.881 cw(c15.22,40.881) 15.079,40.898
PE on L2 "Top Layer-PE" (solid, shelved, pour order 18): 5.38,40.982 15.08,40.982 15.082,41.072 cw(c15.224,41.083) 15.082,41.083 15.082,41.95 14.672,41.95 cw(c14.672,44.34) 12.982,42.65 12.477,43.155 ccw(c11.282,41.96) 11.282,43.65 9.182,43.65 ccw(c9.182,41.96) 7.987,43.155 7.482,42.65 cw(c5.792,44.34) 5.792,41.95 5.382,41.95 5.382,41.083 cw(c5.24,41.083) 5.381,41.066
GND on Bottom Layer "NONET_L04_P000" (solid, shelved, pour order 0): 213.43,-5.55 213.43,94.45 -3.57,94.45 -3.57,-5.55
P12V0 on Top Layer "NONET_L01_P001" (solid, shelved, pour order 1): -1.462,91.45 -1.462,-2.85 212.93,-2.85 212.93,91.45

## Keep-outs
Keep-Out Layer:
  the board outline again, w0.2

## Other copper
Top Layer:
  text "EDA-04213-V3" at 27.93,-2.8 h1.5
  text ".Layer_Name" at 73.986,-26.081 h1.91 r45
  text "1" at 73.033,-31.161 h2.54
L2:
  text ".Layer_Name" at 79.066,-26.081 h1.91 r45
  text "2" at 77.796,-31.161 h2.54
L3:
  text ".Layer_Name" at 84.141,-25.251 h1.91 r45
  text "3" at 82.33,-31.15 h2.54
Bottom Layer:
  text ".Layer_Name" at 101.291,-14.016 h1.91 r45
  text "4" at 87.638,-31.161 h2.54

## Silkscreen, mask and mechanical layers (free items; w line width, h text height)
Top Overlay:
  region: 4219 vertices and 2 holes, not listed, extent 74.332,73.374 100.824,85.431
  text "DI/OT Crate / Front Interface" at 68.205,61.1 h2
  text "EDA-04213-V3" at 27.984,2.115 h1.5
  text ".Layer_Name" at 105.071,-17.021 h1.91
Bottom Overlay:
  region: 4219 vertices and 2 holes, not listed, extent 73.936,73.992 100.429,86.05
  text "EDA-04213-V3" at 44.169,1.991 h1.5
  text ".Layer_Name" at 145.711,-17.021 h1.91
Top Paste:
  text ".Layer_Name" at 105.071,-22.101 h1.91
Bottom Paste:
  text ".Layer_Name" at 145.711,-22.101 h1.91
Top Solder:
  text ".Layer_Name" at 105.071,-19.561 h1.91
Bottom Solder:
  text ".Layer_Name" at 145.711,-19.561 h1.91
Board outline:
  the board outline again, w0.8
Board information:
  text ".Component_Count" at 172.78,-16.75 h1.91
  text "Components" at 155.48,-16.95 h1.91
  text ".Pad_Count" at 173.18,-19.725 h1.91
  text "Pins" at 155.88,-19.925 h1.91
  text ".Via_Count" at 172.98,-22.5 h1.91
  text "Vias" at 155.68,-22.7 h1.91
  text ".Hole_Count" at 172.98,-25.275 h1.91
  text "Holes" at 155.68,-25.475 h1.91
  text ".Net_Count" at 172.88,-28.05 h1.91
  text "Nets" at 155.58,-28.25 h1.91
Corners:
  lines w0.2: -8.57,-5.55 -3.57,-5.55 -3.57,-10.55 ; -8.57,94.45 -3.57,94.45 -3.57,99.45 ; 213.8,-10.55 213.8,-5.55 218.8,-5.55 ; 213.8,99.45 213.8,94.45 218.8,94.45
  lines w0.254: 75.861,-32.261 75.861,-27.181 ; 80.941,-32.261 80.941,-27.181 ; 86.021,-32.261 86.021,-27.181 ; 70.781,-32.261 91.101,-32.261 91.101,-27.181 70.781,-27.181 70.781,-32.261
Title Block:
  circle w0.305: c5.376,-19.561 r3.81
  lines w0.254: 3.471,-20.823 ccw(c7.916,-20.831) 4.183,-18.417 ; 12.361,-20.831 12.361,-16.386 ; 14.901,-24.006 56.811,-24.006 ; 14.901,-20.831 56.811,-20.831 ; 14.901,-17.656 56.811,-17.656 ; 28.871,-27.181 28.871,-14.481 ; 0.931,-27.181 0.931,-14.481 13.631,-14.481 13.631,-27.181 0.931,-27.181 ; 14.901,-27.181 14.901,-14.481 56.811,-14.481 56.811,-27.181 14.901,-27.181
  lines w0.305: 1.82,-20.933 2.836,-24.006 ; 4.868,-27.054 7.941,-22.38 ; 5.376,-15.751 12.996,-15.116 ; 9.109,-18.799 11.726,-27.181
  text "Number" at 16.171,-17.021 h1.91
  text "EDA-04213-V3" at 30.141,-17.021 h1.91
  text "F. Świtakowski" at 30.13,-20.1 h1.91
  text "Drawn By" at 16.171,-20.196 h1.91
  text "CERN" at 2.201,-20.45 h2.54
  text "DATE" at 16.171,-23.371 h1.91
  text "16/06/2023" at 30.141,-23.371 h1.91
  text "MOD." at 16.171,-26.546 h1.91
  text "PV 06/09/2023" at 30.141,-26.546 h1.91
  text "Print Date" at 16.171,-29.721 h1.27
  text ".Print_Date" at 31.411,-29.721 h1.27
  text ".Print_Time" at 44.111,-29.721 h1.27
  text ".Print_Scale" at 16.171,-31.626 h1.27
  text "Altium Designer Rev" at 16.171,-33.531 h1.27
  text "'.Application_BuildNumber'" at 35.221,-33.531 h1.27
Notvisible:
  drawing of 168 lines, arcs and shapes, not listed
  text "(stackup drawing useless as done only to specify 70um copper thickness, done on the specification file)" at 82.105,143.5 h1.91
  text "Layer" at 115.114,138.752 h1.52
  text "Name" at 123.959,138.752 h1.52
  text "Material" at 143.383,138.752 h1.52
  text "Thickness" at 160.209,138.752 h1.52
  text "Constant" at 173.343,138.752 h1.52
  text "Stack" at 185.86,138.752 h1.52
  text "Top Overlay" at 123.959,135.704 h1.52
  text "Top Solder" at 123.959,132.656 h1.52
  text "Solder Resist" at 143.383,132.656 h1.52
  text "0.013mm" at 160.209,132.656 h1.52
  text "3.5" at 173.343,132.656 h1.52
  text "1" at 115.114,129.608 h1.52
  text "Top Layer" at 123.959,129.608 h1.52
  text "0.070mm" at 160.209,129.608 h1.52
  text "Dielectric2" at 123.959,126.56 h1.52
  text "FR-4" at 143.383,126.56 h1.52
  text "0.180mm" at 160.209,126.56 h1.52
  text "4.3" at 173.343,126.56 h1.52
  text "2" at 115.114,123.512 h1.52
  text "L2" at 123.959,123.512 h1.52
  text "0.035mm" at 160.209,123.512 h1.52
  text "Dielectric 2" at 123.959,120.464 h1.52
  text "FR-4" at 143.383,120.464 h1.52
  text "1.000mm" at 160.209,120.464 h1.52
  text "4.3" at 173.343,120.464 h1.52
  text "3" at 115.114,117.416 h1.52
  text "L3" at 123.959,117.416 h1.52
  text "0.035mm" at 160.209,117.416 h1.52
  text "Dielectric 3" at 123.959,114.368 h1.52
  text "FR-4" at 143.383,114.368 h1.52
  text "0.180mm" at 160.209,114.368 h1.52
  text "4.3" at 173.343,114.368 h1.52
  text "4" at 115.114,111.32 h1.52
  text "Bottom Layer" at 123.959,111.32 h1.52
  text "0.070mm" at 160.209,111.32 h1.52
  text "Bottom Solder" at 123.959,108.272 h1.52
  text "Solder Resist" at 143.383,108.272 h1.52
  text "0.013mm" at 160.209,108.272 h1.52
  text "3.5" at 173.343,108.272 h1.52
  text "Bottom Overlay" at 123.959,105.224 h1.52
  text "Total board thickness:" at 115.114,102.176 h1.52
  text "1.596mm" at 160.209,102.176 h1.52
Drill Drawing:
  circle w0.254: c0.486,141.72 r0.508
  circle w0.254: c0.486,141.72 r0.847
  circle w0.254: c0.486,126.48 r0.847
  lines w0.254: -0.361,110.393 -0.361,110.817 0.063,111.24 -0.361,111.663 -0.361,112.087 0.063,112.087 0.486,111.663 0.909,112.087 1.333,112.087 1.333,111.663 0.909,111.24 1.333,110.817 1.333,110.393 0.909,110.393 0.486,110.817 0.063,110.393 -0.361,110.393 ; -0.361,114.203 0.486,114.627 1.333,114.203 0.909,115.05 1.333,115.897 0.486,115.473 -0.361,115.897 0.063,115.05 -0.361,114.203 ; -0.361,118.437 0.063,118.437 0.486,118.013 0.909,118.437 1.333,118.437 0.909,118.86 1.333,119.283 0.909,119.283 0.486,119.707 0.063,119.283 -0.361,119.283 0.063,118.86 -0.361,118.437 ; -0.361,122.247 0.063,122.247 0.063,121.823 0.909,121.823 0.909,122.247 1.333,122.247 1.333,123.093 0.909,123.093 0.909,123.517 0.063,123.517 0.063,123.093 -0.361,123.093 -0.361,122.247 ; -0.361,129.443 1.333,129.443 1.333,131.137 -0.361,131.137 -0.361,129.443 ; -0.361,134.947 1.333,134.947 0.486,133.253 -0.361,134.947 ; -0.361,138.757 1.333,138.757 0.486,137.063 -0.361,138.757 ; -0.361,145.107 0.063,145.107 0.486,144.683 0.909,145.107 1.333,145.107 0.909,145.53 1.333,145.953 0.909,145.953 0.486,146.377 0.063,145.953 -0.361,145.953 0.063,145.53 -0.361,145.107 ; -0.361,148.493 1.333,148.493 1.333,150.187 -0.361,150.187 -0.361,148.493 ; -0.361,153.15 0.486,152.303 1.333,153.15 0.486,153.997 -0.361,153.15 ; -0.022,118.606 0.232,118.606 0.486,118.352 0.74,118.606 0.994,118.606 0.74,118.86 0.994,119.114 0.74,119.114 0.486,119.368 0.232,119.114 -0.022,119.114 0.232,118.86 -0.022,118.606 ; -0.022,129.782 0.994,129.782 0.994,130.798 -0.022,130.798 -0.022,129.782 ; -0.022,134.608 0.994,134.608 0.486,133.592 -0.022,134.608
  lines w0.381: -1.88,109.25 70.851,109.25 ; -1.88,154.97 70.851,154.97 ; 10.886,105.44 10.886,158.78 ; 23.178,105.44 23.178,158.78 ; 47.151,105.44 47.151,158.78 ; 57.232,105.44 57.232,158.78 ; -1.88,105.44 70.851,105.44 70.851,158.78 -1.88,158.78 -1.88,105.44
  text "Symbol" at 0.406,156.113 h1.83
  text "Count" at 12.029,156.113 h1.83
  text "Hole Size" at 24.321,156.113 h1.83
  text "Plated" at 48.294,156.113 h1.83
  text "Via/Pad" at 58.375,156.113 h1.83
  text "32" at 12.029,152.303 h1.52
  text "0.30mm (11.81mil)" at 24.321,152.303 h1.52
  text "PTH" at 48.294,152.303 h1.52
  text "Via" at 58.375,152.303 h1.52
  text "4" at 12.029,148.493 h1.52
  text "0.76mm (30.00mil)" at 24.321,148.493 h1.52
  text "PTH" at 48.294,148.493 h1.52
  text "Pad" at 58.375,148.493 h1.52
  text "2" at 12.029,144.683 h1.52
  text "0.80mm (31.50mil)" at 24.321,144.683 h1.52
  text "PTH" at 48.294,144.683 h1.52
  text "Pad" at 58.375,144.683 h1.52
  text "4" at 12.029,140.873 h1.52
  text "0.90mm (35.43mil)" at 24.321,140.873 h1.52
  text "PTH" at 48.294,140.873 h1.52
  text "Pad" at 58.375,140.873 h1.52
  text "96" at 12.029,137.063 h1.52
  text "1.00mm (39.37mil)" at 24.321,137.063 h1.52
  text "PTH" at 48.294,137.063 h1.52
  text "Pad" at 58.375,137.063 h1.52
  text "6" at 12.029,133.253 h1.52
  text "1.02mm (40.16mil)" at 24.321,133.253 h1.52
  text "PTH" at 48.294,133.253 h1.52
  text "Pad" at 58.375,133.253 h1.52
  text "8" at 12.029,129.443 h1.52
  text "1.30mm (51.18mil)" at 24.321,129.443 h1.52
  text "PTH" at 48.294,129.443 h1.52
  text "Pad" at 58.375,129.443 h1.52
  text "8" at 12.029,125.633 h1.52
  text "2.30mm (90.55mil)" at 24.321,125.633 h1.52
  text "PTH" at 48.294,125.633 h1.52
  text "Pad" at 58.375,125.633 h1.52
  text "2" at 12.029,121.823 h1.52
  text "3.00mm (118.11mil)" at 24.321,121.823 h1.52
  text "PTH" at 48.294,121.823 h1.52
  text "Pad" at 58.375,121.823 h1.52
  text "1" at 12.029,118.013 h1.52
  text "3.50mm (137.79mil)" at 24.321,118.013 h1.52
  text "PTH" at 48.294,118.013 h1.52
  text "Pad" at 58.375,118.013 h1.52
  text "2" at 12.029,114.203 h1.52
  text "4.00mm (157.48mil)" at 24.321,114.203 h1.52
  text "PTH" at 48.294,114.203 h1.52
  text "Pad" at 58.375,114.203 h1.52
  text "4" at 12.029,110.393 h1.52
  text "4.50mm (177.17mil)" at 24.321,110.393 h1.52
  text "PTH" at 48.294,110.393 h1.52
  text "Pad" at 58.375,110.393 h1.52
  text "169 Total" at 12.029,106.583 h1.52
  text "General tolerances +/-0.05mm unless otherwise stated" at -2.006,101.955 h1.5

## Dimensions
-2.37,93.25 to -6.97,97.75 on Board information
213.8,94.45 to 213.8,-5.55 on Board information
-3.57,94.45 to 213.8,94.45 on Board information

## Text inside footprints (layer, text, board x,y; h text height)
IC7: Top Overlay "AC(N)" at 57.872,73.513 h1.2 r270; Top Overlay "-Vo" at 57.895,52.575 h1.2 r270; Top Overlay "+Vo" at 50.295,52.575 h1.2 r270; Top Overlay "AC(L)" at 42.672,73.513 h1.2 r270; Notvisible "3" at 57.905,45.6 h1.2 r270; Notvisible "4" at 50.405,45.6 h1.2 r270; Notvisible "2" at 42.672,77.7 h1.2 r270; Notvisible "1" at 57.872,77.6 h1.2 r270; Mechanical 14 "+Vo" at 50.295,52.575 h1.2 r270; Mechanical 14 "-Vo" at 57.895,52.575 h1.2 r270; Mechanical 14 "AC(N)" at 57.872,73.513 h1.2 r270; Mechanical 14 "AC(L)" at 42.672,73.513 h1.2 r270
J1: Notvisible "PCB" at 213.74,46.09 h1.2 r90; Bottom Overlay "D6" at 198.24,32.29 h1.2 r180; Bottom Overlay "D5" at 198.24,34.93 h1.2 r180; Bottom Overlay "D4" at 198.24,37.37 h1.2 r180; Bottom Overlay "D3" at 198.24,39.91 h1.2 r180; Bottom Overlay "D2" at 198.24,42.45 h1.2 r180; Bottom Overlay "D1" at 198.24,44.99 h1.2 r180; Bottom Overlay "P9" at 198.24,12.63 h1.2 r180; Bottom Overlay "P8" at 198.24,17.71 h1.2 r180; Bottom Overlay "P7" at 198.24,22.79 h1.2 r180; Bottom Overlay "P6" at 198.24,27.87 h1.2 r180; Bottom Overlay "P5" at 198.24,49.47 h1.2 r180; Bottom Overlay "P4" at 198.24,55.82 h1.2 r180; Bottom Overlay "P3" at 198.24,62.17 h1.2 r180; Bottom Overlay "P2" at 198.24,69.79 h1.2 r180; Bottom Overlay "P1" at 198.24,77.49 h1.2 r180; Mechanical 14 "P1" at 198.24,77.49 h1.2 r180; Mechanical 14 "P2" at 198.24,69.79 h1.2 r180; Mechanical 14 "P3" at 198.24,62.17 h1.2 r180; Mechanical 14 "P4" at 198.24,55.82 h1.2 r180; Mechanical 14 "P5" at 198.24,49.47 h1.2 r180; Mechanical 14 "P6" at 198.24,27.87 h1.2 r180; Mechanical 14 "P7" at 198.24,22.79 h1.2 r180; Mechanical 14 "P8" at 198.24,17.71 h1.2 r180; Mechanical 14 "P9" at 198.24,12.63 h1.2 r180; Mechanical 14 "D1" at 198.24,44.99 h1.2 r180; Mechanical 14 "D2" at 198.24,42.45 h1.2 r180; Mechanical 14 "D3" at 198.24,39.91 h1.2 r180; Mechanical 14 "D4" at 198.24,37.37 h1.2 r180; Mechanical 14 "D5" at 198.24,34.93 h1.2 r180; Mechanical 14 "D6" at 198.24,32.29 h1.2 r180
J3: Mechanical 14 "Fron Panel" at -9.05,19.603 h2 r90
OHL1: Top Overlay "Licensed under CERN OHL-W v2+" at 71.305,3.6 h1.2; Top Overlay "https://ohwr.org/project/xxxxxxx/wikis" at 71.305,-1.6 h1.2; Top Overlay "http://ohwr.org/CERNOHL" at 71.305,1 h1.2
ST1: Mechanical 14 "=.Designator" at -8.906,42.642 h2 r90